# KiCad board forti EC.kicad_pcb
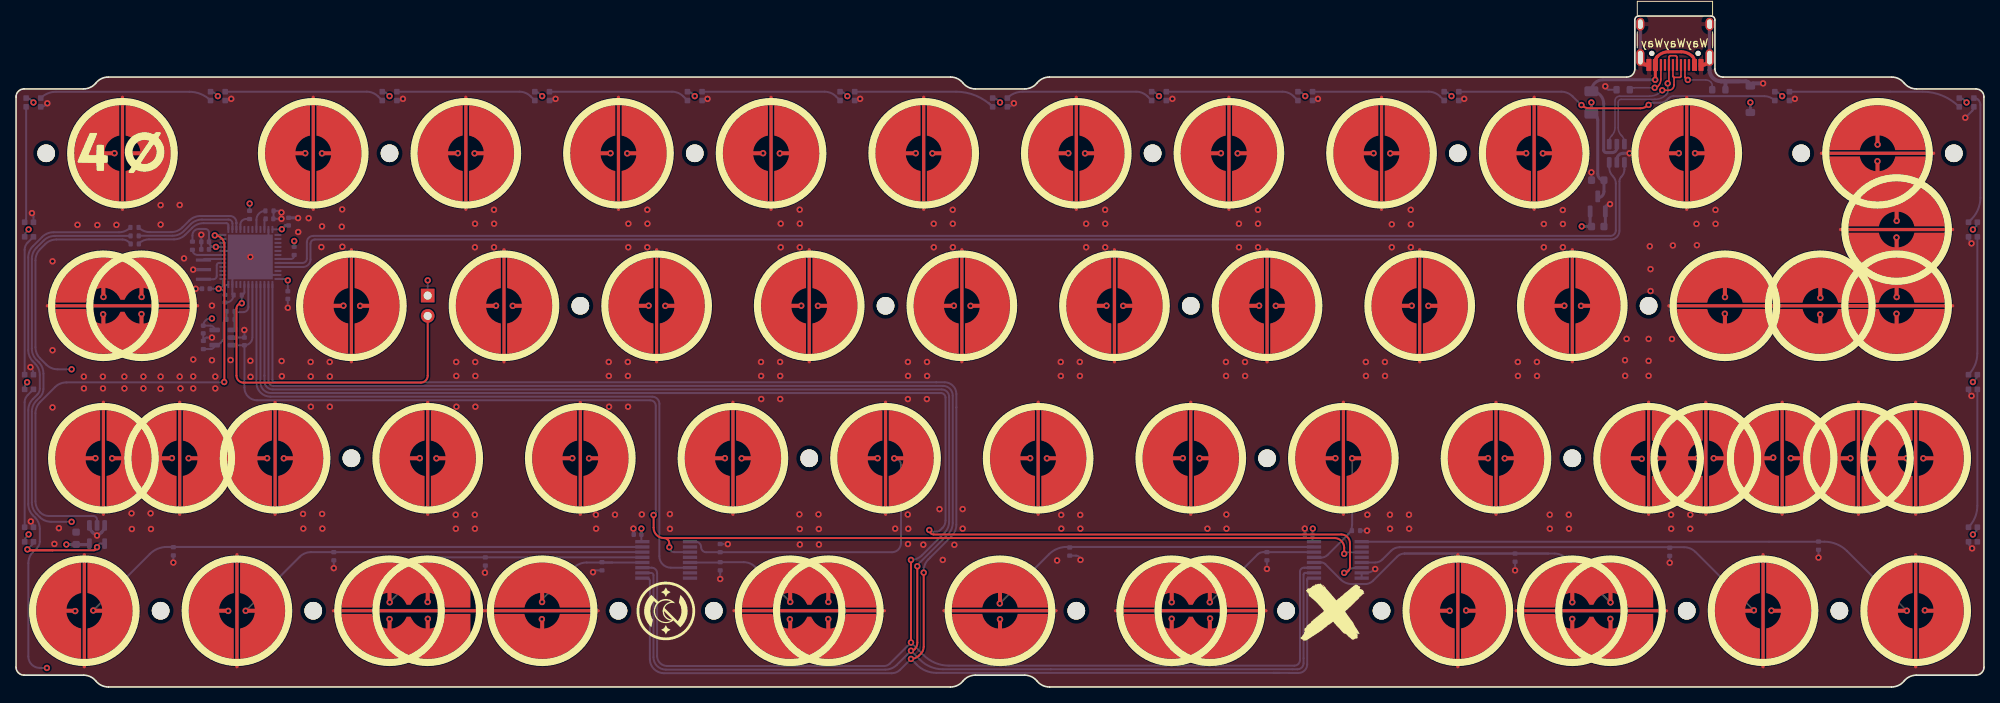
[diagram p0: board, top side]
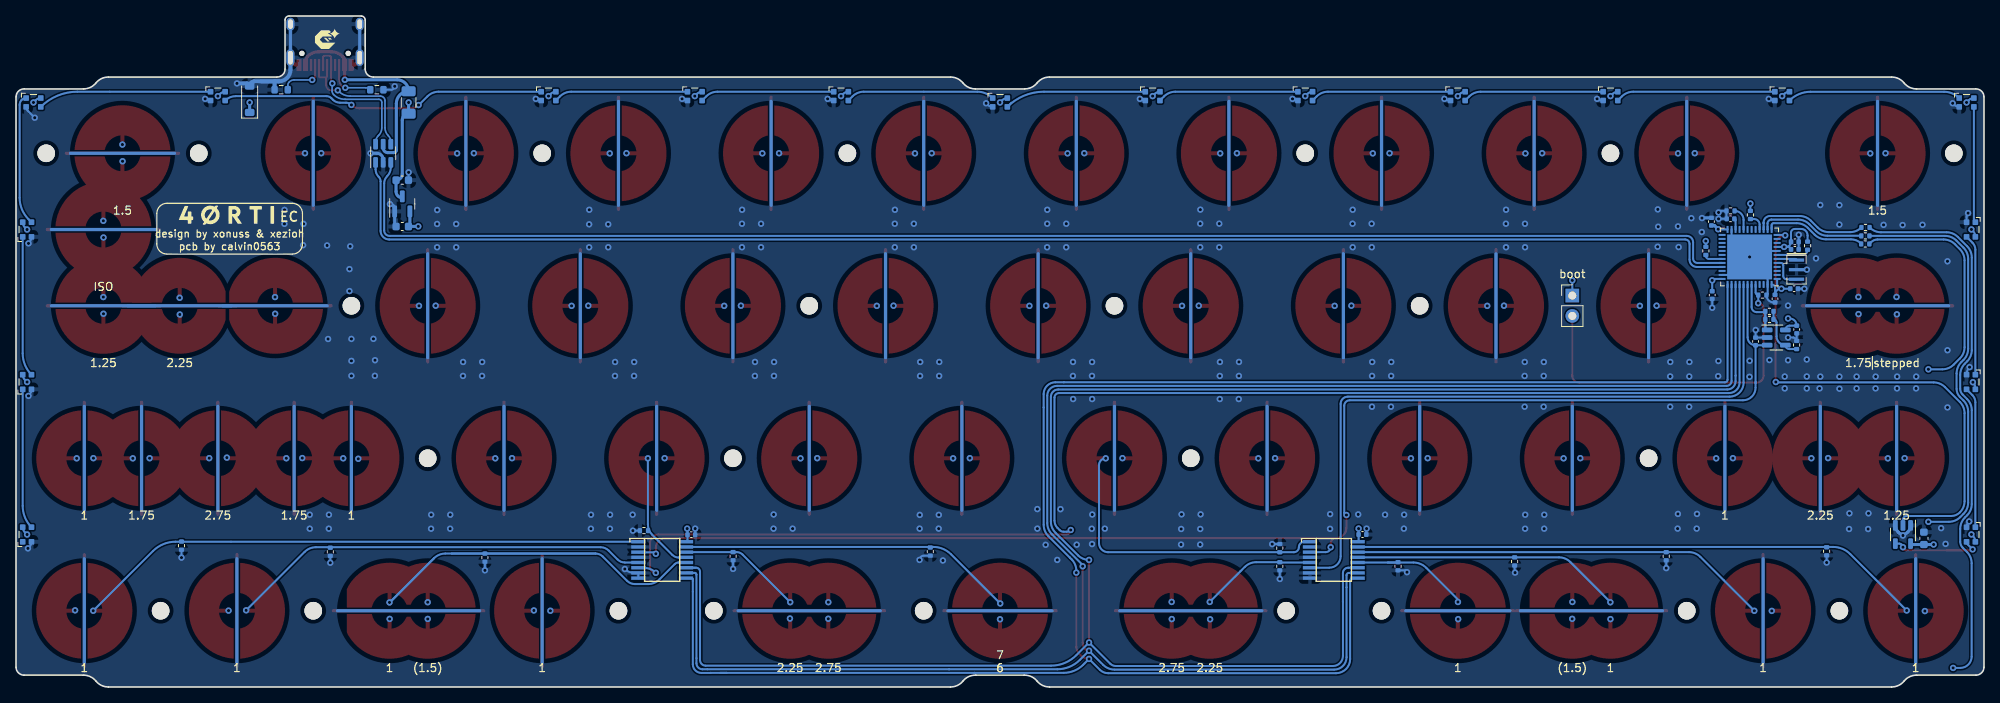
[diagram p1: board, bottom side, seen from below]

Outline 245.65 x 83.83 mm; copper layers: Top, In1.Cu, In2.Cu, Bottom. Coordinates in mm from the lower left corner of the outline.
Outline path: 0,73.72 0,2.48 arc(0.29,1.77) 1,1.48 8.42,1.48 arc(9.28,1.28) 9.97,0.74 arc(10.66,0.19) 11.52,0 116.65,0 arc(117.51,0.19) 118.2,0.74 arc(118.9,1.28) 119.76,1.48 125.89,1.48 arc(126.75,1.28) 127.45,0.74 arc(128.14,0.19) 129,0 234.13,0 arc(234.99,0.19) 235.68,0.74 arc(236.37,1.28) 237.23,1.48 244.65,1.48 arc(245.36,1.77) 245.65,2.48 245.65,73.72 arc(245.36,74.42) 244.65,74.72 237.23,74.72 arc(236.37,74.91) 235.68,75.46 arc(234.98,76.01) 234.12,76.2 213.07,76.2 arc(212.36,76.49) 212.07,77.2 212.07,83.33 arc(211.92,83.68) 211.57,83.83 202.57,83.83 arc(202.22,83.68) 202.07,83.33 202.07,77.2 arc(201.78,76.49) 201.07,76.2 129,76.2 arc(128.14,76.01) 127.45,75.46 arc(126.75,74.91) 125.89,74.72 119.76,74.72 arc(118.9,74.91) 118.2,75.46 arc(117.51,76.01) 116.65,76.2 11.53,76.2 arc(10.67,76.01) 9.97,75.46 arc(9.28,74.91) 8.42,74.72 1,74.72 arc(0.29,74.42) 0,73.72
Stack: Top 0.035mm / dielectric 0.2mm 7268 er 4.6 / In1.Cu 0.0175mm / dielectric 1.065mm FR4 er 4.5 / In2.Cu 0.0175mm / dielectric 0.2mm 7628 er 4.6 / Bottom 0.035mm

## Placement (name value [footprint] x y rotation side)
C1  1uF  [C_0603_1608Metric]  197.44 63.32 0 bottom
C2  1uF  [C_0603_1608Metric]  197.44 57.53 180 bottom
C3  100n  [C_0402_1005Metric]  23.37 44.66 90 bottom
C4  220pF NP0  [C_0402_1005Metric]  28.51 43.17 90 bottom
C10  100n  [C_0402_1005Metric]  77.58 19.05 180 bottom
C12  100nF  [C_0603_1608Metric]  7.5 18.57 270 bottom
C15  100n  [C_0402_1005Metric]  161.35 19.02 180 bottom
C16  4.7u  [C_0402_1005Metric]  31.64 58.49 0 bottom
C17  100n  [C_0402_1005Metric]  23.7 49.76 180 bottom
C18  100n  [C_0402_1005Metric]  34.02 58.14 90 bottom
C19  100n  [C_0402_1005Metric]  33.93 48.96 270 bottom
C20  100n  [C_0402_1005Metric]  26.08 48.52 270 bottom
C21  100n  [C_0402_1005Metric]  23.61 55.61 180 bottom
C22  1u  [C_0402_1005Metric]  23.61 54.67 180 bottom
D_PWR1  SMF9.0CA  [D_SOD-123]  216.49 73.43 90 bottom
F1  500mA  [Fuse_1206_3216Metric]  196.64 73.03 270 bottom
G***  -  [LOGO]  13.29 66.68 0 top
G***#2  -  [LOGO]  164.3 9.49 0 top
G***#3  -  [LOGO]  81.12 9.5 0 top
G***#4  -  [LOGO]  206.96 80.96 180 bottom
G***#5  -  [LOGO]  219.19 58.88 180 bottom
H1  MountingHole  [HOLE_M2]  3.76 66.68 0 top
H2  MountingHole  [HOLE_M2]  46.63 66.68 0 top
H3  MountingHole  [HOLE_M2]  84.73 66.68 0 top
H4  MountingHole  [HOLE_M2]  141.88 66.68 0 top
H5  MountingHole  [HOLE_M2]  222.84 66.68 0 top
H6  MountingHole  [HOLE_M2]  70.44 47.62 0 top
H7  MountingHole  [HOLE_M2]  146.64 47.62 0 top
H8  MountingHole  [HOLE_M2]  203.79 47.62 0 top
H9  MountingHole  [HOLE_M2]  41.86 28.58 0 top
H10  MountingHole  [HOLE_M2]  99.01 28.58 0 top
H11  MountingHole  [HOLE_M2]  156.16 28.58 0 top
H12  MountingHole  [HOLE_M2]  87.11 9.53 0 top
H13  MountingHole  [HOLE_M2]  158.54 9.53 0 top
H14  MountingHole  [HOLE_M2]  194.26 28.58 0 top
H15  MountingHole  [HOLE_M2]  179.98 66.68 0 top
H16  MountingHole  [HOLE_M2]  18.05 9.53 0 top
H17  MountingHole  [HOLE_M2]  227.6 9.53 0 top
H18  MountingHole  [HOLE_M2]  75.2 9.53 0 top
H19  MountingHole  [HOLE_M2]  170.45 9.53 0 top
H20  MountingHole  [HOLE_M2]  37.1 9.53 0 top
H21  MountingHole  [HOLE_M2]  208.55 9.53 0 top
H22  MountingHole  [HOLE_M2]  108.54 47.62 0 top
H23  MountingHole  [HOLE_M2]  132.35 9.53 0 top
H24  MountingHole  [HOLE_M2]  241.89 66.68 0 top
J2  USB_C_Receptacle_USB2.0  [USB_C_Receptacle_HRO_TYPE-C-31-M-12]  207.08 81.76 180 top
LED1  WS2812_2020  [LED_WS2812_2020]  1.63 57.15 270 bottom
LED2  WS2812_2020  [LED_WS2812_2020]  1.63 38.1 270 bottom
LED3  WS2812_2020  [LED_WS2812_2020]  1.63 19.05 270 bottom
LED15  WS2812_2020  [LED_WS2812_2020]  244.27 19.05 90 bottom
LED16  WS2812_2020  [LED_WS2812_2020]  244.27 38.1 90 bottom
LED17  WS2812_2020  [LED_WS2812_2020]  244.27 57.15 90 bottom
LED18  WS2812_2020  [LED_WS2812_2020]  243.48 73.03 180 bottom
LED19  WS2812_2020  [LED_WS2812_2020]  220.46 73.82 180 bottom
LED20  WS2812_2020  [LED_WS2812_2020]  179.18 73.82 180 bottom
LED21  WS2812_2020  [LED_WS2812_2020]  160.93 73.82 180 bottom
LED22  WS2812_2020  [LED_WS2812_2020]  142.67 73.82 180 bottom
LED23  WS2812_2020  [LED_WS2812_2020]  122.83 73.03 180 bottom
LED24  WS2812_2020  [LED_WS2812_2020]  84.73 73.82 180 bottom
LED25  WS2812_2020  [LED_WS2812_2020]  65.68 73.82 180 bottom
LED26  WS2812_2020  [LED_WS2812_2020]  46.63 73.82 180 bottom
LED27  WS2812_2020  [LED_WS2812_2020]  2.18 73.03 180 bottom
LED30  WS2812_2020  [LED_WS2812_2020]  103.78 73.82 180 bottom
LED31  WS2812_2020  [LED_WS2812_2020]  25.19 73.82 180 bottom
R1  5k1  [R_0603_1608Metric]  212.55 74.61 0 bottom
R2  5k1  [R_0603_1608Metric]  200.61 74.61 180 bottom
R4  100k  [R_0402_1005Metric]  58.58 15.68 270 bottom
R5  100k  [R_0402_1005Metric]  39.67 16.33 270 bottom
R6  100k  [R_0402_1005Metric]  26.78 46.93 180 bottom
R7  100k  [R_0402_1005Metric]  19.64 16.95 270 bottom
R8  100k  [R_0402_1005Metric]  73.14 15.08 270 bottom
R9  100k  [R_0402_1005Metric]  87.9 17.35 90 bottom
R11  100k  [R_0402_1005Metric]  167.26 19.53 0 bottom
R12  100k  [R_0402_1005Metric]  156.14 16.34 270 bottom
R13  100k  [R_0402_1005Metric]  131.53 16.92 270 bottom
R14  100k  [R_0402_1005Metric]  187.12 16.16 270 bottom
R15  100k  [R_0402_1005Metric]  224.99 17.66 270 bottom
R16  100k  [R_0402_1005Metric]  206.42 16.89 270 bottom
R17  100k  [R_0402_1005Metric]  34.72 54.48 90 bottom
R18  100k  [R_0402_1005Metric]  87.9 15.08 270 bottom
R19  100  [R_0402_1005Metric]  14.82 55.35 180 bottom
R20  100  [R_0402_1005Metric]  14.81 56.36 180 bottom
R21  100  [R_0402_1005Metric]  14.79 57.41 0 bottom
R22  100  [R_0402_1005Metric]  29.16 58.97 270 bottom
R23  1k  [R_0402_1005Metric]  23.38 42.73 90 bottom
R24  10k  [R_0402_1005Metric]  22.02 55.13 270 bottom
R25  10k  [R_0402_1005Metric]  31.64 59.48 180 bottom
R26  DNP  [R_0402_1005Metric]  26.78 45.92 180 bottom
R27  10k  [R_0402_1005Metric]  27.67 48.96 180 bottom
SW1  BOOT0  [PinHeader_1x02_P2.54mm_Vertical]  51.39 48.9 180 bottom
SW_EC1  Topre  [ecs_pad_1U_no_ring]  13.29 66.68 180 top
SW_EC2  Topre  [ecs_pad_1U_no_ring]  37.1 66.68 180 top
SW_EC3  Topre  [ecs_pad_1U_no_ring]  56.15 66.68 180 top
SW_EC4  Topre  [ecs_pad_1U_no_ring]  75.2 66.68 180 top
SW_EC5  Topre  [ecs_pad_1U_no_ring]  94.25 66.68 180 top
SW_EC6  Topre  [ecs_pad_1U_no_ring]  113.3 66.68 180 top
SW_EC7  Topre  [ecs_pad_1U_no_ring]  132.35 66.68 180 top
SW_EC8  Topre  [ecs_pad_1U_no_ring]  151.4 66.68 180 top
SW_EC9  Topre  [ecs_pad_1U_no_ring]  170.45 66.68 180 top
SW_EC10  Topre  [ecs_pad_1U_no_ring]  189.5 66.68 180 top
SW_EC11  Topre  [ecs_pad_1U_no_ring]  208.55 66.68 180 top
SW_EC12  Topre  [ecs_pad_1U_no_ring]  232.36 66.68 90 top
SW_EC13  stepped  [ecs_pad_no_ring_stepped&normal]  15.67 47.62 0 top
SW_EC14  Topre  [ecs_pad_1U_no_ring]  41.86 47.62 0 top
SW_EC15  Topre  [ecs_pad_1U_no_ring]  60.91 47.62 0 top
SW_EC16  Topre  [ecs_pad_1U_no_ring]  79.96 47.62 0 top
SW_EC17  Topre  [ecs_pad_1U_no_ring]  99.01 47.62 0 top
SW_EC18  Topre  [ecs_pad_1U_no_ring]  118.06 47.62 0 top
SW_EC19  Topre  [ecs_pad_1U_no_ring]  137.11 47.62 0 top
SW_EC20  Topre  [ecs_pad_1U_no_ring]  156.16 47.62 0 top
SW_EC21  Topre  [ecs_pad_1U_no_ring]  175.21 47.62 0 top
SW_EC22  Topre  [ecs_pad_1U_no_ring]  194.26 47.62 0 top
SW_EC23  Topre  [ecs_pad_1U_no_ring_1u_edge_cut]  213.31 47.62 270 top
SW_EC24  Topre  [ecs_pad_1U_no_ring]  234.74 47.62 90 top
SW_EC25  Topre  [ecs_pad_1U_no_ring]  10.91 28.58 180 top
SW_EC26  Topre  [ecs_pad_1U_no_ring]  32.34 28.58 180 top
SW_EC27  Topre  [ecs_pad_1U_no_ring]  51.39 28.58 180 top
SW_EC28  Topre  [ecs_pad_1U_no_ring]  70.44 28.58 180 top
SW_EC29  Topre  [ecs_pad_1U_no_ring]  89.49 28.58 180 top
SW_EC30  Topre  [ecs_pad_1U_no_ring]  108.54 28.58 180 top
SW_EC31  Topre  [ecs_pad_1U_no_ring]  127.59 28.58 180 top
SW_EC32  Topre  [ecs_pad_1U_no_ring]  146.64 28.58 180 top
SW_EC33  Topre  [ecs_pad_1U_no_ring]  165.69 28.58 180 top
SW_EC34  Topre  [ecs_pad_1U_no_ring]  184.74 28.58 180 top
SW_EC35  1u, 175u  [ecs_pad_no_ring_1u1.75u]  203.79 28.58 0 top
SW_EC36  1u, 175u  [ecs_pad_no_ring_1u1.75u]  229.98 28.58 0 top
SW_EC37  1u  [ecs_pad_1U_no_ring]  8.53 9.53 180 top
SW_EC38  1u  [ecs_pad_1U_no_ring]  27.58 9.53 180 top
SW_EC39  stepped  [ecs_pad_no_ring_stepped&normal_cut]  46.63 9.53 180 top
SW_EC40  1u  [ecs_pad_1U_no_ring]  65.68 9.53 270 top
SW_EC41  split  [ecs_pad_no_ring_stepped&normal]  101.39 9.53 0 top
SW_EC42  6u 7u  [ecs_pad_1U_no_ring]  122.83 9.53 270 top
SW_EC43  split  [ecs_pad_no_ring_stepped&normal]  149.02 9.53 0 top
SW_EC44  1u  [ecs_pad_1U_no_ring]  179.98 9.53 0 top
SW_EC45  stepped  [ecs_pad_no_ring_stepped&normal_cut]  194.26 9.53 180 top
SW_EC46  1u  [ecs_pad_1U_no_ring]  218.08 9.53 0 top
SW_EC47  1u  [ecs_pad_1U_no_ring]  237.13 9.53 0 top
SW_EC48  ISO  [ecs_pad_1U_no_ring]  234.74 57.15 270 top
SW_EC49  ansi  [ecs_pad_1U_no_ring_1u_edge_cut]  225.22 47.62 90 top
SW_EC50  Topre  [ecs_pad_1U_no_ring]  20.43 28.58 0 top
SW_EC52  275u  [ecs_pad_1U_no_ring]  220.46 28.58 0 top
U1  USBLC6-2SC6  [SOT-23-6]  199.82 66.68 90 bottom
U2  XC6206PxxxMR-Regulator_Linear  [SOT-23]  197.44 60.36 90 bottom
U3  OPA354  [SOT-23-5]  25.93 43.66 180 bottom
U4  74AHCT1G125  [TSOT-23-5]  10.11 19.05 270 bottom
U5  74HC4051  [TSSOP16]  81.16 15.88 270 bottom
U7  74HC4051  [TSSOP16]  164.99 15.88 270 bottom
U8  STM32F401CBUx  [QFN-48-1EP_7x7mm_P0.5mm_EP5.6x5.6mm]  29.26 53.73 0 bottom
Y1  8 MHz  [Resonator_SMD_Murata_CSTxExxV-3Pin_3.0x1.1mm]  23.4 52.14 270 bottom

## Library data of the parts
C1 C2 = -: Description: Unpolarized capacitor, small symbol; LCSC: C52923
C3 = -: Description: Unpolarized capacitor; LCSC: C307331
C4 = -: Description: Unpolarized capacitor; LCSC: C1530
C10 C12 C15-C22 = -: Description: Unpolarized capacitor, small symbol
D_PWR1 = -: Description: Bidirectional transient-voltage-suppression diode
F1 = -: Description: Resettable fuse, polymeric positive temperature coefficient, small symbol; LCSC: C70076
H1-H24 = -: Description: Mounting Hole without connection
J2 = -: Description: USB 2.0-only Type-C Receptacle connector; LCSC: C165948
LED1-LED3 LED15-LED27 LED30 LED31 = -: Description: 2020 SMD adressable RGB LED with integrated controller
R1 R2 = -: Description: Resistor, small symbol; LCSC: C25905
R4 R5 R7-R9 R11-R16 R18 R24 R27 = -: Description: Resistor, small symbol
R6 R17 = -: Description: Resistor; LCSC: C25741
R19-R22 = -: Description: Resistor; LCSC: C25076
R23 = -: Description: Resistor; LCSC: C11702
R25 = -: Description: Resistor; LCSC: C25744
R26 = -: Description: Resistor
SW1 = -: Description: Jumper, 2-pole, open
U1 = -: Description: Very low capacitance ESD protection diode, 2 data-line, SOT-23-6; LCSC: C2827654
U2 = -: Description: SMD LDO regulator family; LCSC: C5446
U3 = -: Description: Single Single-Supply, Rail-to-Rail Operational Amplifier, MicroAmplifier Series, SOT-23-5
U4 = -: Description: Single Buffer Gate Tri-State, Low-Voltage CMOS
U5 U7 = -: Description: 8-channel analog multiplexer/demultiplexer, DIP-16/SOIC-16/TSSOP-16
U8 = -: Description: ARM Cortex-M4 MCU, 128KB flash, 64KB RAM, 84MHz, 1.7-3.6V, 36 GPIO, UFQFPN-48; LCSC: C118825
Y1 = -: Description: Three pin ceramic resonator, small symbol; LCSC: C907975

## Footprints (pads in the part's own frame, mm; a bottom-side part is the same pattern mirrored in y, then rotated)
C_0402_1005Metric
  rrect 0.56x0.62 smd: 1(-0.48,0) 2(0.48,0)
C_0603_1608Metric
  rrect 0.9x0.95 smd: 1(-0.775,0) 2(0.775,0)
D_SOD-123
  rrect 0.9x1.2 smd: 1(-1.65,0) 2(1.65,0)
ecs_pad_1U_no_ring
  custom 5.595x11.973 smd: 1(-1,0) 2(1,0)
  custom 0.4x14.4 smd: 3(0,0)
  custom 0.4x13.4 smd far side: 3(0,0)
ecs_pad_1U_no_ring_1u_edge_cut
  custom 5.595x11.722 smd: 1(-1,0) 2(1,0)
  custom 0.4x14.4 smd: 3(0,0)
  custom 0.4x13.4 smd far side: 3(0,0)
ecs_pad_no_ring_1u1.75u
  custom 5.595x11.973 smd: 1(-1,0) 3(8.144,0)
  custom 6.344x11.972 smd: 2(1,0)
  custom 0.4x14.4 smd: 4(0,0) 4(7.143,0)
  custom 0.4x13.4 smd far side: 4(0,0) 4(7.143,0)
ecs_pad_no_ring_stepped&normal
  custom 16.734x5.595 smd: 1(0,1.002) 2(0,-1.002)
  custom 19.163x0.4 smd: 3(0,0)
  custom 18.163x0.4 smd far side: 3(0,0)
ecs_pad_no_ring_stepped&normal_cut
  custom 16.08x5.595 smd: 1(-4.763,1.002) 2(-4.763,-1.002)
  custom 19.163x0.4 smd: 3(0,0)
  custom 18.163x0.4 smd far side: 3(0,0)
Fuse_1206_3216Metric
  rrect 1.25x1.75 smd: 1(-1.4,0) 2(1.4,0)
HOLE_M2
  round 2.2 hole 2.2 unplated: (0,0)
LED_WS2812_2020
  rrect 0.7x0.7 smd: 1(-0.915,0.55) 2(-0.915,-0.55) 3(0.915,-0.55) 4(0.915,0.55)
PinHeader_1x02_P2.54mm_Vertical
  rect 1.7x1.7 hole 1: 1(0,0)
  oval 1.7x1.7 hole 1: 2(0,-2.54)
QFN-48-1EP_7x7mm_P0.5mm_EP5.6x5.6mm
  rrect 1.13x1.13 smd: (-2.1,-2.1) (-2.1,-0.7) (-2.1,0.7) (-2.1,2.1) (-0.7,-2.1) (-0.7,-0.7) (-0.7,0.7) (-0.7,2.1) (0.7,-2.1) (0.7,-0.7) (0.7,0.7) (0.7,2.1) (2.1,-2.1) (2.1,-0.7) (2.1,0.7) (2.1,2.1)
  rrect 0.875x0.25 smd: 1(-3.438,2.75) 2(-3.438,2.25) 3(-3.438,1.75) 4(-3.438,1.25) 5(-3.438,0.75) 6(-3.438,0.25) 7(-3.438,-0.25) 8(-3.438,-0.75) 9(-3.438,-1.25) 10(-3.438,-1.75) 11(-3.438,-2.25) 12(-3.438,-2.75) 25(3.438,-2.75) 26(3.438,-2.25) 27(3.438,-1.75) 28(3.438,-1.25) 29(3.438,-0.75) 30(3.438,-0.25) 31(3.438,0.25) 32(3.438,0.75) 33(3.438,1.25) 34(3.438,1.75) 35(3.438,2.25) 36(3.438,2.75)
  rrect 0.25x0.875 smd: 13(-2.75,-3.438) 14(-2.25,-3.438) 15(-1.75,-3.438) 16(-1.25,-3.438) 17(-0.75,-3.438) 18(-0.25,-3.438) 19(0.25,-3.438) 20(0.75,-3.438) 21(1.25,-3.438) 22(1.75,-3.438) 23(2.25,-3.438) 24(2.75,-3.438) 37(2.75,3.438) 38(2.25,3.438) 39(1.75,3.438) 40(1.25,3.438) 41(0.75,3.438) 42(0.25,3.438) 43(-0.25,3.438) 44(-0.75,3.438) 45(-1.25,3.438) 46(-1.75,3.438) 47(-2.25,3.438) 48(-2.75,3.438)
  rect 5.6x5.6 smd: 49(0,0)
R_0402_1005Metric
  rrect 0.54x0.64 smd: 1(-0.51,0) 2(0.51,0)
R_0603_1608Metric
  rrect 0.8x0.95 smd: 1(-0.825,0) 2(0.825,0)
Resonator_SMD_Murata_CSTxExxV-3Pin_3.0x1.1mm
  rect 0.4x1.9 smd: 1(-1.2,0) 2(0,0) 3(1.2,0)
SOT-23
  rrect 1.475x0.6 smd: 1(-0.938,0.95) 2(-0.938,-0.95) 3(0.938,0)
SOT-23-5
  rrect 1.325x0.6 smd: 1(-1.137,0.95) 2(-1.137,0) 3(-1.137,-0.95) 4(1.137,-0.95) 5(1.137,0.95)
SOT-23-6
  rrect 1.325x0.6 smd: 1(-1.137,0.95) 2(-1.137,0) 3(-1.137,-0.95) 4(1.137,-0.95) 5(1.137,0) 6(1.137,0.95)
TSOT-23-5
  rrect 1.325x0.6 smd: 1(-1.137,0.95) 2(-1.137,0) 3(-1.137,-0.95) 4(1.137,-0.95) 5(1.137,0.95)
TSSOP16
  rect 0.419x1.778 smd: 1(-2.273,-2.974) 2(-1.623,-2.974) 3(-0.973,-2.974) 4(-0.323,-2.974) 5(0.323,-2.974) 6(0.973,-2.974) 7(1.623,-2.974) 8(2.273,-2.974) 9(2.273,2.974) 10(1.623,2.974) 11(0.973,2.974) 12(0.323,2.974) 13(-0.323,2.974) 14(-0.973,2.974) 15(-1.623,2.974) 16(-2.273,2.974)
USB_C_Receptacle_HRO_TYPE-C-31-M-12
  round 0.65 hole 0.65 unplated: (-2.89,2.6) (2.89,2.6)
  rect 0.6x1.45 smd: A1(-3.25,4.045) A4(-2.45,4.045) A9(2.45,4.045) A12(3.25,4.045) B1(3.25,4.045) B4(2.45,4.045) B9(-2.45,4.045) B12(-3.25,4.045)
  rect 0.28x1.45 smd: A5(-1.25,4.045) A6(-0.25,4.045) A7(0.25,4.045) A8(1.25,4.045) B5(1.75,4.045) B6(0.75,4.045) B7(-0.75,4.045) B8(-1.75,4.045)
  oval 1x2.1 hole 0.6x1.7: S1(-4.32,3.13) S1(4.32,3.13)
  oval 1x1.6 hole 0.6x1.2: S1(-4.32,-1.05) S1(4.32,-1.05)

## Nets
+5V: C1.2 C12.2 D_PWR1.1 F1.2 LED1.4 LED2.4 LED3.4 LED15.4 LED16.4 LED17.4 LED18.4 LED19.4 LED20.4 LED21.4 LED22.4 LED23.4 LED24.4 LED25.4 LED26.4 LED27.4 LED30.4 LED31.4 U2.3 U4.5
GND: C1.1 C2.1 C3.1 C4.2 C10.2 C12.1 C15.2 C16.2 C17.2 C18.2 C19.2 C20.2 C21.2 C22.2 D_PWR1.2 J2.A1 J2.A12 J2.B1 J2.B12 J2.S1 LED1.2 LED2.2 LED3.2 LED15.2 LED16.2 LED17.2 LED18.2 LED19.2 LED20.2 LED21.2 LED22.2 LED23.2 LED24.2 LED25.2 LED26.2 LED27.2 LED30.2 LED31.2 R1.2 R2.2 R4.2 R5.2 R7.2 R8.2 R9.2 R11.2 R12.2 R13.2 R14.2 R15.2 R16.2 R18.2 R23.2 R25.1 R27.2 SW_EC1.3 SW_EC2.3 SW_EC3.3 SW_EC4.3 SW_EC5.3 SW_EC6.3 SW_EC7.3 SW_EC8.3 SW_EC9.3 SW_EC10.3 SW_EC11.3 SW_EC12.3 SW_EC13.3 SW_EC14.3 SW_EC15.3 SW_EC16.3 SW_EC17.3 SW_EC18.3 SW_EC19.3 SW_EC20.3 SW_EC21.3 SW_EC22.3 SW_EC23.3 SW_EC24.3 SW_EC25.3 SW_EC26.3 SW_EC27.3 SW_EC28.3 SW_EC29.3 SW_EC30.3 SW_EC31.3 SW_EC32.3 SW_EC33.3 SW_EC34.3 SW_EC35.4 SW_EC36.4 SW_EC37.3 SW_EC38.3 SW_EC39.3 SW_EC40.3 SW_EC41.3 SW_EC42.3 SW_EC43.3 SW_EC44.3 SW_EC45.3 SW_EC46.3 SW_EC47.3 SW_EC48.3 SW_EC49.3 SW_EC50.3 SW_EC52.3 U1.2 U2.1 U3.2 U4.1 U4.3 U5.2 U5.4 U5.7 U5.8 U7.2 U7.4 U7.7 U7.8 U8.8 U8.23 U8.35 U8.47 U8.49 Y1.2
VBAT: C2.2 C3.2 C10.1 C15.1 C17.1 C18.1 C19.1 C20.1 C21.1 C22.1 R17.2 R24.1 SW1.1 U2.2 U3.5 U5.16 U7.16 U8.1 U8.9 U8.24 U8.36 U8.48
VBUS: F1.1 J2.A4 J2.A9 J2.B4 J2.B9 U1.5
/CC1: J2.A5 R1.1
/CC2: J2.B5 R2.1
ADC: R6.1 R26.1 U3.1 U8.43
AMUX_SEL_0: U5.11 U7.11 U8.39
AMUX_SEL_1: U5.10 U7.10 U8.38
AMUX_SEL_2: U5.9 U7.9 U8.37
APLEX_EN_PIN_0: U5.6 U8.41
APLEX_EN_PIN_1: U7.6 U8.40
APLEX_OUT_PIN_0: C4.1 U3.3 U5.3 U7.3 U8.42
BOOT0: R27.1 SW1.2 U8.44
BOOT1: R25.2 U8.20
COL0: R7.1 SW_EC1.1 SW_EC13.1 SW_EC25.1 SW_EC37.1 SW_EC50.1 U5.15
COL1: R5.1 SW_EC2.1 SW_EC14.1 SW_EC26.1 SW_EC38.1 U5.14
COL2: R4.1 SW_EC3.1 SW_EC15.1 SW_EC27.1 SW_EC39.2 U5.13
COL3: R8.1 SW_EC4.1 SW_EC16.1 SW_EC28.1 SW_EC40.1 U5.12
COL4: R18.1 SW_EC5.1 SW_EC17.1 SW_EC29.1 SW_EC41.1 U5.5
COL5: R9.1 SW_EC6.1 SW_EC18.1 SW_EC30.1 U5.1
COL6: R13.1 SW_EC7.1 SW_EC19.1 SW_EC31.1 SW_EC42.1 U7.15
COL7: R12.1 SW_EC8.1 SW_EC20.1 SW_EC32.1 SW_EC43.1 U7.14
COL8: R11.1 SW_EC9.1 SW_EC21.1 SW_EC33.1 SW_EC44.1 U7.13
COL9: R14.1 SW_EC10.1 SW_EC22.1 SW_EC34.1 SW_EC45.2 U7.12
COL10: R16.1 SW_EC11.1 SW_EC23.2 SW_EC35.2 SW_EC46.1 U7.5
COL11: R15.1 SW_EC12.1 SW_EC24.1 SW_EC36.1 SW_EC36.3 SW_EC47.1 SW_EC48.1 SW_EC49.1 SW_EC52.2 U7.1
D_N: U1.3 U8.32
D_P: U1.1 U8.33
D_USB_N: J2.A7 J2.B7 U1.4
D_USB_P: J2.A6 J2.B6 U1.6
NRST: R24.2 U8.7
RGB MCU: U4.2 U8.12
rgb underglow: LED3.3 U4.4
ROW0: R22.1 SW_EC1.2 SW_EC2.2 SW_EC3.2 SW_EC4.2 SW_EC5.2 SW_EC6.2 SW_EC7.2 SW_EC8.2 SW_EC9.2 SW_EC10.2 SW_EC11.2 SW_EC12.2
ROW1: R19.2 SW_EC13.2 SW_EC14.2 SW_EC15.2 SW_EC16.2 SW_EC17.2 SW_EC18.2 SW_EC19.2 SW_EC20.2 SW_EC21.2 SW_EC22.2 SW_EC23.1 SW_EC24.2 SW_EC48.2 SW_EC49.2
ROW2: R20.2 SW_EC25.2 SW_EC26.2 SW_EC27.2 SW_EC28.2 SW_EC29.2 SW_EC30.2 SW_EC31.2 SW_EC32.2 SW_EC33.2 SW_EC34.2 SW_EC35.1 SW_EC35.3 SW_EC36.2 SW_EC50.2 SW_EC52.1
ROW3: R21.1 SW_EC37.2 SW_EC38.2 SW_EC39.1 SW_EC40.2 SW_EC41.2 SW_EC42.2 SW_EC43.2 SW_EC44.2 SW_EC45.1 SW_EC46.2 SW_EC47.2
XTAL0: U8.5 Y1.3
XTAL1: U8.6 Y1.1
Net-(LED1-DIN): LED1.3 LED2.1
Net-(LED1-DOUT): LED1.1 LED27.3
Net-(LED2-DIN): LED2.3 LED3.1
Net-(LED15-DIN): LED15.3 LED16.1
Net-(LED16-DIN): LED16.3 LED17.1
Net-(LED17-DIN): LED17.3 LED18.1
Net-(LED18-DIN): LED18.3 LED19.1
Net-(LED19-DIN): LED19.3 LED20.1
Net-(LED20-DIN): LED20.3 LED21.1
Net-(LED21-DIN): LED21.3 LED22.1
Net-(LED22-DIN): LED22.3 LED23.1
Net-(LED23-DIN): LED23.3 LED30.1
Net-(LED24-DIN): LED24.3 LED25.1
Net-(LED24-DOUT): LED24.1 LED30.3
Net-(LED25-DIN): LED25.3 LED26.1
Net-(LED26-DIN): LED26.3 LED31.1
Net-(LED27-DOUT): LED27.1 LED31.3
Net-(U3--): R6.2 R23.1 R26.2 U3.4
Net-(U8-PA3): R19.1 U8.13
Net-(U8-PA4): R20.1 U8.14
Net-(U8-PA5): R21.2 U8.15
Net-(U8-PA6): R22.2 U8.16
Net-(U8-PA10): R17.1 U8.31
Net-(U8-VCAP1): C16.1 U8.22

Pads without a net: J2 A8 B8; LED15 1; U8 2 3 4 10 11 17 18 19 21 25 26 27 28 29 30 34 45 46

## Via types
v1: diameter 0.8, hole 0.4, Top to Bottom, 422 vias

## Routing (per net, layer and track width the routed paths; a pad name or vN(x,y) marks a point on that pad's centre or on a via; arc(x,y) is an arc through that point)
+5V: length 416.6
  In1.Cu w0.381: 245.28,61.91 245.28,65.09 ; 245.28,61.91 245.28,58.16 arc(244.98,57.45) v1(244.27,57.15) arc(244.97,56.86) 245.27,56.15 245.27,39.1 arc(244.97,38.39) v1(244.27,38.1) arc(244.86,37.85) 245.11,37.26 245.11,22.23 ; 245.28,61.91 245.28,58.96 ; 0.59,59.53 0.59,58.74 ; 0.59,59.53 0.59,58.15 arc(0.88,57.45) v1(1.57,57.16) arc(0.88,56.87) 0.59,56.18 0.59,38.87 arc(0.82,38.3) v1(1.38,38.07) arc(0.82,37.84) 0.59,37.27 0.59,21.43 ; 0.59,59.53 0.59,72.23 arc(0.82,72.79) 1.38,73.03 v1(2.18,73.03) arc(2.54,73.9) 3.42,74.27 4.56,74.27 ; 214.11,74.27 214.42,74.27 arc(215.18,74.11) 215.83,73.68 v1(216.49,73.03) ; 214.11,74.27 219.38,74.27 arc(219.96,74.15) v1(220.46,73.82) arc(220.95,74.15) 221.53,74.27 242.23,74.27 arc(243.11,73.9) v1(243.48,73.03) 244.27,73.03 arc(244.98,72.73) 245.28,72.01 245.28,65.15 ; 214.11,74.27 207.59,74.27 arc(207.18,74.18) 206.83,73.95 206.73,73.85 arc(206.47,73.68) 206.17,73.62 204.87,73.62 arc(204.68,73.65) 204.52,73.76 ; 245.11,22.23 245.11,19.89 arc(244.86,19.3) v1(244.27,19.05) ; 245.11,22.23 245.11,20.68 ; 0.59,20.64 0.59,21.43 ; 0.59,21.43 0.59,20.05 arc(0.88,19.35) v1(1.57,19.06) 5.03,19.06 arc(5.92,18.69) v1(6.29,17.8) ; 4.56,74.27 3.25,74.27 ; 4.56,74.27 24.12,74.27 arc(24.7,74.15) v1(25.19,73.82) arc(25.69,74.15) 26.27,74.27 45.9,74.27 arc(46.16,74.21) 46.38,74.07 v1(46.63,73.82) arc(47.12,74.15) 47.7,74.27 64.6,74.27 arc(65.18,74.15) v1(65.68,73.82) arc(66.17,74.15) 66.75,74.27 83.65,74.27 arc(84.23,74.15) v1(84.73,73.82) arc(85.22,74.15) 85.8,74.27 102.7,74.27 arc(103.28,74.15) v1(103.78,73.82) arc(104.27,74.15) 104.85,74.27 121.58,74.27 arc(122.46,73.9) v1(122.83,73.03) arc(123.19,73.9) 124.07,74.27 141.59,74.27 arc(142.17,74.15) v1(142.67,73.82) arc(143.16,74.15) 143.75,74.27 159.85,74.27 arc(160.43,74.15) v1(160.93,73.82) arc(161.42,74.15) 162,74.27 178.1,74.27 arc(178.69,74.15) v1(179.18,73.82) arc(179.68,74.15) 180.26,74.27 194.57,74.27 arc(195.34,74.11) 195.99,73.68 v1(196.64,73.03) 197.62,74 arc(197.9,74.19) 198.23,74.25 203.79,74.25 arc(204.02,74.21) 204.21,74.08 204.58,73.71
  Bottom w0.25: v1(103.78,73.82) 103.48,74.11 arc(103.2,74.3) LED30.4 ; v1(1.57,19.06) 1.38,18.87 arc(1.15,18.53) LED3.4 ; v1(160.93,73.82) 160.63,74.11 arc(160.35,74.3) LED21.4 ; v1(220.46,73.82) 220.16,74.11 arc(219.88,74.3) LED19.4 ; v1(244.27,38.1) 244.56,38.39 arc(244.75,38.68) 244.82,39.02 ; v1(2.18,73.03) 1.88,73.32 arc(1.6,73.51) LED27.4 ; v1(122.83,73.03) 122.53,73.32 arc(122.25,73.51) LED23.4 ; v1(84.73,73.82) 84.43,74.11 arc(84.15,74.3) LED24.4 ; v1(243.48,73.03) 243.18,73.32 arc(242.9,73.51) LED18.4 ; LED2.4 1.08,37.32 arc(1.16,37.73) v1(1.38,38.07) ; v1(244.27,19.05) 244.56,19.34 arc(244.75,19.63) LED15.4 ; v1(142.67,73.82) 142.38,74.11 arc(142.09,74.3) LED22.4 ; v1(179.18,73.82) 178.89,74.11 arc(178.6,74.3) LED20.4 ; v1(1.57,57.16) 1.38,56.97 arc(1.15,56.63) 1.08,56.23 ; v1(65.68,73.82) 65.38,74.11 arc(65.1,74.3) LED25.4 ; v1(46.63,73.82) 46.33,74.11 arc(46.05,74.3) LED26.4 ; v1(25.19,73.82) 24.9,74.11 arc(24.62,74.3) LED31.4 ; v1(244.27,57.15) 244.56,57.44 arc(244.75,57.73) LED17.4
  Bottom w0.381: C1.2 198.21,62.9 ; C1.2 198.21,61.89 arc(197.99,61.35) 197.44,61.12 ; C1.2 arc(197.66,63.54) 197.44,64.09 197.44,70.83 arc(197.21,71.39) F1.2 v1(196.64,73.03) ; D_PWR1.1 v1(216.49,73.03) ; v1(6.29,17.8) 6.29,17.8 C12.2 8.89,17.8 arc(9.04,17.83) U4.5
GND: length 104.1
  Top w0.5: J2.A1 210.48,77.71 arc(211.13,77.98) J2.S1 ; J2.A12 203.67,77.71 arc(203.02,77.98) J2.S1
  Bottom w0.25: v1(196.64,64.29) 196.64,63.34 arc(196.65,63.32) C1.1 ; C19.2 v1(33.93,47.38) ; R12.2 v1(156.14,14.75) ; R15.2 224.99,16.17 arc(224.99,16.16) v1(225,16.16) ; C15.2 160.87,19.79 arc(160.87,19.79) v1(160.87,19.79) ; R4.2 58.58,14.34 v1(58.53,14.29) ; U8.23 31.51,55.98 arc(30.85,54.38) v1(29.26,53.73) ; R13.2 132.34,16.41 arc(132.71,16.25) v1(132.87,15.88) ; v1(244.09,55.42) 244.03,55.48 arc(243.8,55.83) 243.72,56.23 ; v1(243.32,71.12) 244.19,71.99 arc(244.34,72.22) 244.39,72.47 ; R11.2 v1(168.65,19.53) ; R5.2 39.67,14.85 v1(39.66,14.85) ; v1(23.12,56.5) 23.13,56.5 C21.2 C22.2 ; LED22.2 143.84,73.27 arc(144.11,73.32) v1(144.34,73.48) ; v1(33.13,58.49) C16.2 32.15,58.52 R25.1 32.93,59.48 arc(33.07,59.42) v1(33.13,59.28) ; U3.2 28.51,43.66 C4.2 28.51,44.59 v1(28.5,44.6) ; C10.2 77.1,19.75 arc(77.09,19.78) v1(77.06,19.79) ; 2.18,39.02 2.18,39.05 arc(2.08,39.54) v1(1.8,39.96) ; R8.2 72.25,14.57 v1(72.02,14.34) ; LED1.2 2.18,58.74 arc(2.13,58.99) v1(1.98,59.2) ; C3.1 23.37,43.25 R23.2 arc(23.51,43.53) 23.81,43.66 v1(24.46,43.66) ; LED21.2 162.01,73.27 arc(162.28,73.32) v1(162.51,73.48) ; U8.8 28.51,54.48 arc(29.04,54.26) v1(29.26,53.73) ; LED19.2 221.54,73.27 arc(221.81,73.32) v1(222.04,73.48) ; v1(1.85,20.68) 1.9,20.62 arc(2.1,20.32) LED3.2 ; LED20.2 180.27,73.27 arc(180.54,73.32) v1(180.77,73.48) ; R7.2 v1(19.64,15.55) ; R14.2 v1(187.12,14.57) ; LED24.2 85.81,73.27 arc(86.08,73.32) v1(86.31,73.48) ; v1(244.16,17.32) 243.98,17.5 arc(243.79,17.79) LED15.2 ; v1(22.42,49.75) 22.43,49.76 C17.2 ; Y1.2 v1(22.11,52.14) ; U7.7 168.48,14.25 arc(169.12,14.38) v1(169.66,14.74) ; U8.35 31.51,51.48 arc(29.92,52.13) v1(29.26,53.73) ; R18.2 v1(87.9,13.49) ; R9.2 88.84,17.86 arc(88.85,17.85) v1(88.85,17.85) ; LED30.2 104.86,73.27 arc(105.13,73.32) v1(105.36,73.48) ; C20.2 26.24,48.04 arc(26.89,48.31) R27.2 arc(27.05,49.01) 27.01,49.12 U8.47 27.01,51.48 arc(27.67,53.07) v1(29.26,53.73) ; v1(124.56,72.92) 124.38,72.74 arc(124.08,72.54) 123.74,72.47 ; R16.2 v1(206.42,15.52) ; 167.97,14.23 167.97,13.58 ; R2.2 198.81,74.61 arc(198.51,74.74) v1(198.38,75.04) ; LED25.2 66.85,73.27 arc(67.12,73.32) v1(67.35,73.48) ; v1(244.09,36.37) 244.03,36.43 arc(243.8,36.78) LED16.2 ; v1(3.91,72.92) 3.73,72.74 arc(3.43,72.54) 3.09,72.47 ; LED31.2 26.37,73.27 arc(26.64,73.32) v1(26.87,73.48) ; LED26.2 47.8,73.27 arc(48.07,73.32) v1(48.3,73.48)